# Altium PCB PCB1.PcbDoc (continued)
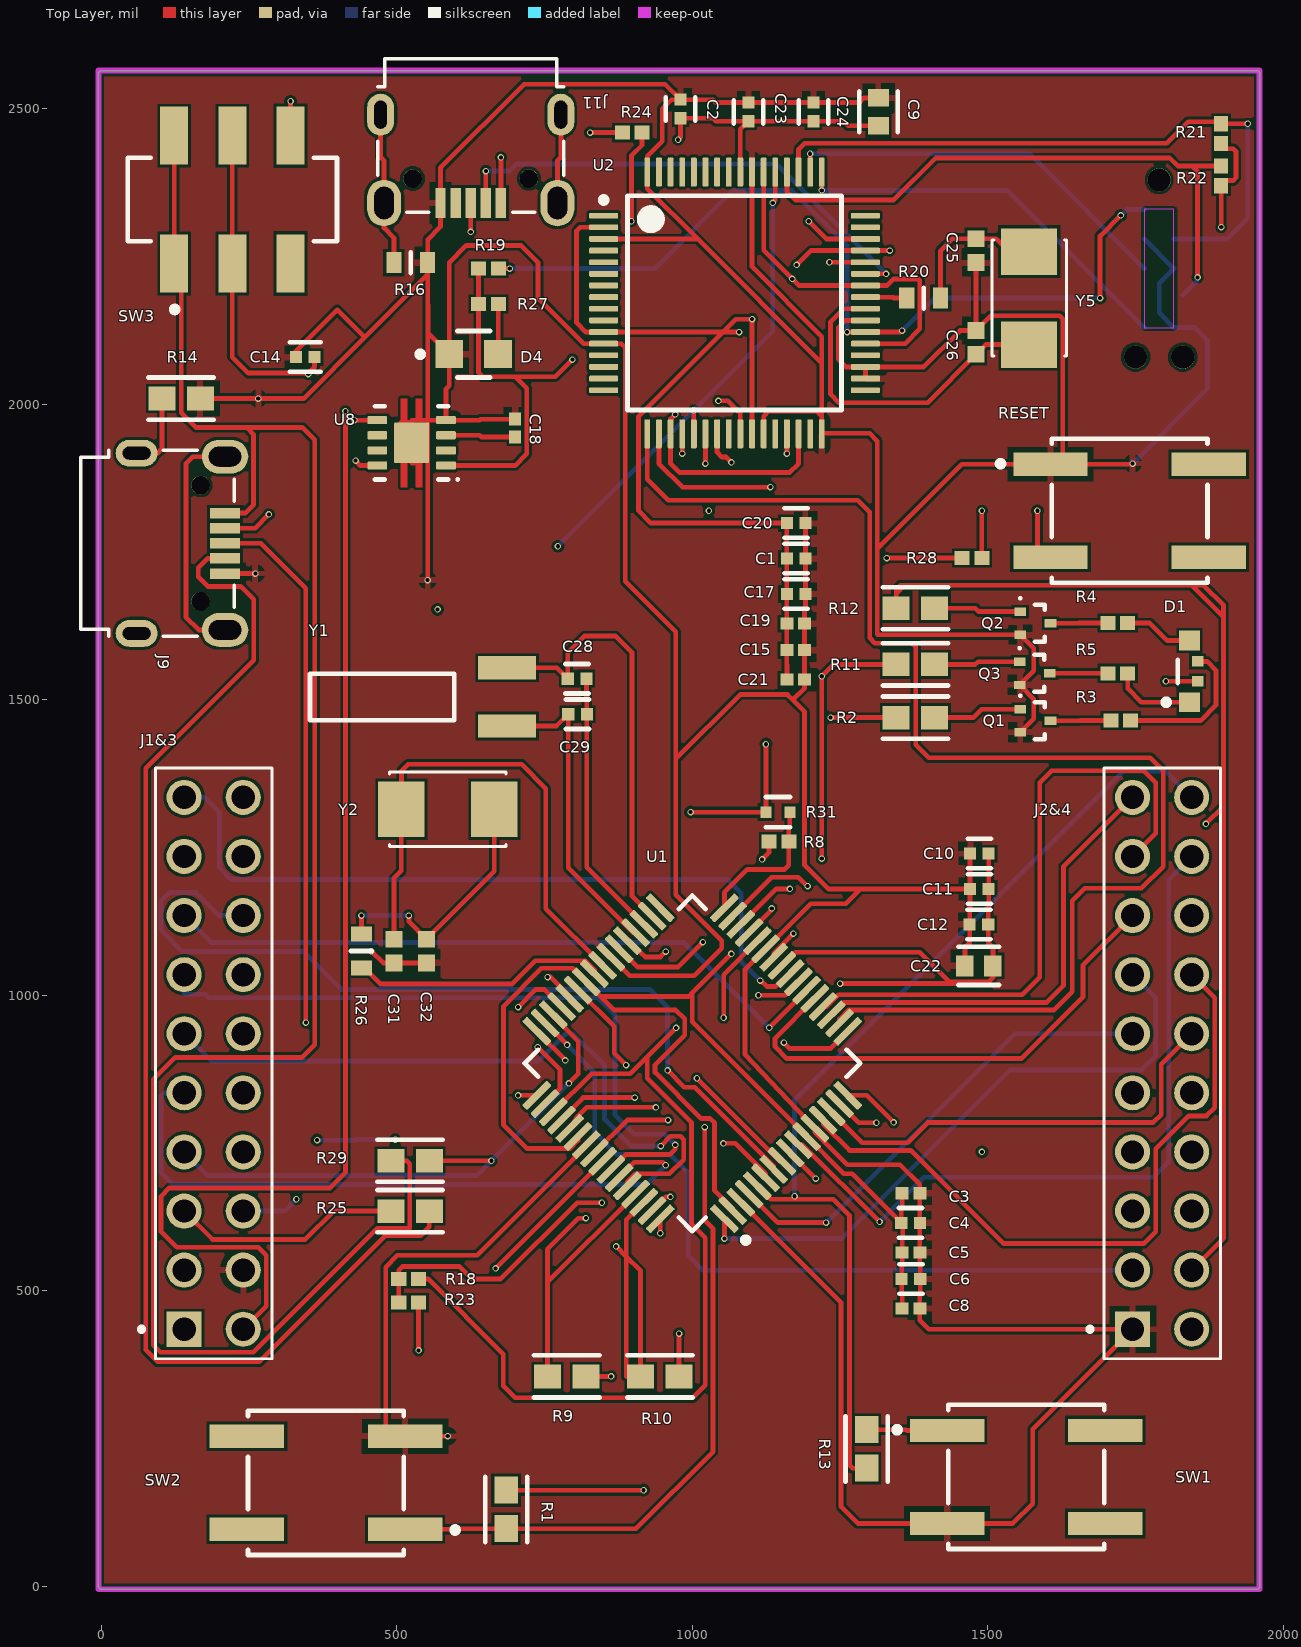
[diagram p0: Top Layer view]
## Footprints (in the part's own frame and the unit in brackets; to place one, negate y for a bottom-side part, rotate by r counter-clockwise, add the part's x,y. Pads: shape width x height; smd on the part's side, far side on the other; paste and mask are expansions set on the pad) (continued)
  silkscreen extent -5.75,-4.6 4.6,4.6, body extent -6,-6 6,6, height 1.49
RESC1005X40X25NL10T10 [mm] "Chip Resistor, 2-Leads, Body 1.00x0.50mm, IPC Medium Density"
  rect 0.65x0.6 smd: 1(-0.425,0) 2(0.425,0)
  body extent -0.55,-0.3 0.55,0.3, height 0.4
TAG-CONNECT_TC2050-IDC-NL [mm]
  round 0.787 smd paste-1: 1(0,0) 2(0,-1.27) 3(0,-2.54) 4(0,-3.81) 5(0,-5.08) 6(1.27,-5.08) 7(1.27,-3.81) 8(1.27,-2.54) 9(1.27,-1.27) 10(1.27,0)
  round 0.991 hole 0.991 unplated: ""(-0.38,-6.35) ""(0.635,1.27) ""(1.65,-6.35)
  Keep-Out Layer region: 1.27,-5.08 0,-5.08 0,0 1.27,0
  Keep-Out Layer region: 1.27,-5.08 0,-5.08 0,0 1.27,0
  silkscreen extent -3.46,-8.76 4,3.68
TE_1-826656-0 [mm]
  rect 1.508x1.508 hole 1: 1(-11.43,1.27)
  round 1.508 hole 1: 2(-8.89,1.27) 3(-6.35,1.27) 4(-3.81,1.27) 5(-1.27,1.27) 6(1.27,1.27) 7(3.81,1.27) 8(6.35,1.27) 9(8.89,1.27) 10(11.43,1.27) 11(-11.43,-1.27) 12(-8.89,-1.27) 13(-6.35,-1.27) 14(-3.81,-1.27) 15(-1.27,-1.27) 16(1.27,-1.27) 17(3.81,-1.27) 18(6.35,-1.27) 19(8.89,-1.27) 20(11.43,-1.27)
  silkscreen extent -12.7,-2.5 12.7,3.2, body extent -12.7,-2.5 12.7,2.5, height 6.01
XTAL_NX5032GA-16.000000MHZ-LN-CD-1 [mm]
  rect 2x2.4 smd: 1(-2,0) 2(2,0)
  silkscreen extent -2.5,-1.6 2.5,1.6, body extent -2.5,-1.6 2.5,1.6, height 1.51

## Part data
C1 C2 C4 C6 C10 C11 C12 C17 C20 C23 C24: library part CMP-1034-02068-3, "CAP CER 0.1UF 16V 5% X7R 0402", Capacitance="0.10 μF", Manufacturer=Kemet, Manufacturer Part Number=C0402C104J4RACTU, Package=C0402-BB, Temperature="-55°C to +125°C", Temperature Characteristic=X7R, Temperature Coefficient=15%, Temperature Range High=+125°C, Temperature Range Low=-55°C, Tolerance=0.05, Voltage Rating="16 V", Automotive=No, Category=Cap, ComponentLink2Description=Datasheet, ComponentLink2URL=https://content.kemet.com/datasheets/KEM_C1002_X7R_SMD.pdf, Device Class L1="Passive Components", Device Class L2=Capacitors, Device Class L3="Ceramic Capacitors", Digikey Description="CAP CER 0.1UF 16V 5% X7R 0402", Height=0.55mm, Ipc Land Pattern Name=CAPC10050X50, Lead Free=Yes, Material=Ceramic, Mouser Description="CAP CER 0.1UF 16V X7R 0402", Octopart=https://octopart.com/c0402c104j4ractu-kemet-12573893, RoHS=TRUE
C3 C5 C8 C15 C19 C21: library part CMP-1034-01886-2, Manufacturer=Kemet, Part Number=C0402C103K5RACTU
C9 C22: library part CMP-2006-02259-2, "CAP CER 2.2UF 16V X5R 0603", Case Code (Imperial)=0603, Case Code (Metric)=1608, Dielectric=X5R, Dielectric Material=Ceramic, Max Operating Temperature=85°C, Min Operating Temperature=-55°C, Package Quantity=1, Tolerance=10%, Voltage=16V, Capacitance=2.2uF, Case/Package=0603, Construction=Flat, Contact Plating=Tin, Depth=0.8mm, Dissipation Factor=5%, Height=0.8mm, Lead Free="Lead Free", Length=1.6mm, Mount="Surface Mount", Number of Pins=2, Packaging="Tape and Reel", Radiation Hardening=No, REACH SVHC="No SVHC", RoHS Compliant=Yes, Series=C, Termination=SMD/SMT, Thickness=0.034inch, Voltage Rating=16V, Voltage Rating (DC)=16V, Width=0.8mm
C14: library part CMP-2008-02081-2, "CAP CER 1UF 10V X5R 0402", Capacitance=1uF, Case Code (Imperial)=0402, Case Code (Metric)=1005, Dielectric=X5R, Dielectric Material=Ceramic, Max Operating Temperature=85°C, Min Operating Temperature=-55°C, Package Quantity=1, Tolerance=10%, Voltage=10V, Case/Package=0402, Construction=Flat, Contact Plating=Tin, Depth=0.5mm, Dissipation Factor=5%, Height=0.5mm, Lead Free="Lead Free", Length=1mm, Mount="Surface Mount", Number of Pins=2, Packaging="Tape and Reel", Radiation Hardening=No, REACH SVHC="No SVHC", RoHS Compliant=Yes, Series=C, Termination=SMD/SMT, Thickness=0.022inch, Voltage Rating=10V, Voltage Rating (DC)=10V, Width=0.5mm
C18: library part CMP-1034-01886-2, Manufacturer=Kemet, Part Number=C0402C103K5RACTU
C25 C26 C31 C32: library part CMP-2100-03589-1, "Chip Capacitor, 10 pF, +/- 5%, 50 V, -55 to 125 degC, 0402 (1005 Metric), RoHS, Tape and Reel", Case Code (Imperial)=0402, Case Code (Metric)=1005, Dielectric=C0G, Dielectric Material=Ceramic, Insulation Resistance=100GR, Manufacturer=Yageo, Max Operating Temperature=125degC, Min Operating Temperature=-55degC, Package Description="2-Pin Surface Mount Device, Body 1 x 0.5 mm", Package Quantity=1, Temperature Coefficient=30ppm/degC, Tolerance=5%, Voltage=50V, Capacitance=10pF, Case/Package=0402, Composition=Ceramic, Datasheet URL=http://www.yageo.com/documents/recent/UPY-GP_NP0_16V-to-50V_14.pdf, Datasheet Version="Rev. 14, 07/2016", Depth=0.5mm, Height=0.5mm, Lead Free=LeadFree, Length=1mm, Manufacturer URL=http://www.yageo.com/, Mount=SurfaceMount, Number of Pins=2, Package Reference=0402, Packaging=TapeandReel, Radiation Hardening=No, REACH SVHC=NoSVHC, RoHSCompliant=True, Termination=SMD/SMT, Thickness=0.022inch, Voltage Rating=50V, Voltage Rating (DC)=50V, Width=0.02inch
C28 C29: library part CMP-1034-00941-3, Capacitance="24 pF", Manufacturer=Kemet, Manufacturer Part Number=C0402C240J5GACTU, Package=C0402-BB, Temperature="-55°C to +125°C", Temperature Characteristic=C0G, Temperature Coefficient=15%, Temperature Range High=+125°C, Temperature Range Low=-55°C, Tolerance=0.05, Voltage Rating="50 V", Automotive=No, Category=Cap, ComponentLink2Description=Datasheet, ComponentLink2URL=https://content.kemet.com/datasheets/KEM_C1002_X7R_SMD.pdf, Device Class L1="Passive Components", Device Class L2=Capacitors, Device Class L3="Ceramic Capacitors", Digikey Description="CAP CER 24PF 50V 5% NP0 0402", Height=0.55mm, Ipc Land Pattern Name=CAPC10050X50, Lead Free=Yes, Material=Ceramic, Mouser Description="Multilayer Ceramic Capacitors MLCC - SMD/SMT 50volts 24pF C0G 5%", Octopart=https://octopart.com/c0402c240j5gactu-kemet-9138560, RoHS=TRUE
D1: library part CMP-2000-06422-1, "Right Angle Tricolor Surface Mount Chip LED, Red/Green/Blue, -40 to 85 degC, 4-Pin SMD, RoHS, Tape and Reel", Forward Current=20mA, Forward Voltage=3.9/2.6/2V, Manufacturer=Avago, Operating Temp Range=-40Cto85C, Operating Temperature Classification=Industrial, Package Description="4-Pin Surface Mount Device, Body 2.5 x 1 mm", Package Reference=HSMF-C11X, Package Type=ChipLed, Power Dissipation=59/39/36W, Reverse Voltage=5V, Datasheet URL=https://datasheet.ciiva.com/15117/getdatasheetpartid-133115-15117679.pdf, Datasheet Version=04/2010, DELETED=Compliant, Dominant Wave Length=470/572/626nm, High Brightness=Yes, Lens Dimensions=2.1x1x0.5mm, Lens Type=ColorlessDiffused, Lum Intensity=60/50/80mcd, Luminous Intensity=60/50/80mcd, Main Category=ChipLED, Manufacturer URL=http://www.avagotech.com/, Mounting=SurfaceMount, Mounting Technology=SurfaceMount, Number of  Elements=3, Packaging=TapeandReel, Peak Wavelength=468/570/637nm, Pin Count=4, Product Depth (mm)=1mm, Product Height (mm)=1mm, Product Length (mm)=2.5mm, Rad Hardened=No, Shape Type=Rectangular, Test Current (It)=20mA, Type=Tri-Color, Viewing Angle=125/125/120deg
D4: library part CMP-22017-000022-1, "LED ORANGE CLEAR SMD", Case Code (Imperial)=0805, Case Code (Metric)=2012, Color=Orange, Forward Current=30mA, Forward Voltage=2.1V, Lens Color=Colorless, Max Operating Temperature=85°C, Max Power Dissipation=100mW, Min Operating Temperature=-55°C, Package Quantity=1, Reverse Voltage=5V, Test Current=10mA, Case/Package=0805, Depth=1.25mm, Dominant Wavelength=602nm, Height=1.1mm, Illumination Color=Orange, Lead Free="Lead Free", Length=2mm, Lens Style=Diffused, Lens Transparency=Clear, Luminous Intensity=2mcd, Mount="Surface Mount", Number of Elements=1, Number of LEDs=1, Number of Pins=2, Packaging="Tape and Reel", Power Dissipation=100mW, Radiation Hardening=No, Viewing Angle=130°, Wavelength=610nm, Width=1.25mm
J1&3 J2&4: "Conn Unshrouded Header HDR 20 POS 2.54mm Solder ST Thru-Hole Box", Package=None, Availability=Good, Check_prices=https://www.snapeda.com/parts/1-826656-0/TE%20Connectivity%20AMP%20Connectors/view-part/2881856/?ref=eda, MF="TE Connectivity", MP=1-826656-0, Price=None, Purchase-URL=https://pricing.snapeda.com/search/part/1-826656-0/?ref=eda, SnapEDA_Link=https://www.snapeda.com/parts/1-826656-0/TE%20Connectivity%20AMP%20Connectors/view-part/2881856/?ref=snap
J5: "MSP-FET430 Flash Emulation Tool Plug-Of-Nailsâ„¢ Adapter Cable", Package=None, Availability="In Stock", Check_prices=https://www.snapeda.com/parts/TC2050-IDC-NL/Tag-Connect+LLC/view-part/?ref=eda, MF="Tag-Connect LLC", MP=TC2050-IDC-NL, Price=None, Purchase-URL=https://pricing.snapeda.com/search/part/TC2050-IDC-NL/?ref=eda, SnapEDA_Link=https://www.snapeda.com/parts/TC2050-IDC-NL/Tag-Connect+LLC/view-part/?ref=snap
J9 J11: library part CMP-1502-03252-3, Contact Resistance=30mΩ, Current Rating=3A, Insulation Resistance=1GΩ, Max Operating Temperature=85°C, Min Operating Temperature=-40°C, Operating Supply Voltage=30V, Connector Type=USB, Contact Material=Gold, Contact Plating=Gold, Features=Shielded, Gender=Receptacle, Height=2.86mm, Lead Free="Lead Free", Mount="Horizontal, Surface Mount", NexarPartId=52645113, Number of Contacts=5, Number of Pins=5, Orientation=Horizontal, Packaging="Tape and Reel", REACH SVHC=Unknown, RoHS=Compliant, Termination=SMD/SMT, USB Standard="USB 2.0", Voltage Rating=30V
Q1 Q2 Q3: library part CMP-0630-00210-1, "Digital Transistor (BRT), R1=10 kOhm, R2=10 kOhm, NPN Transistor, 3-Pin SC-75, Pb-Free, Tape and Reel", Manufacturer="On Semiconductor", ComponentLink1Description="Manufacturer URL", ComponentLink1URL=http://www.onsemi.com/, ComponentLink2Description=Datasheet, ComponentLink2URL=http://www.onsemi.cn/pub_link/Collateral/DTC114E-D.PDF, ComponentLink3Description="Package Specification", ComponentLink3URL=http://www.onsemi.com/pub_link/Collateral/463-01.PDF, DatasheetVersion="Rev. 5", hFE Min=35, IC Continuous (A)=0.1, Mounting Technology="Surface Mount", PackageDescription="3-Pin Small Outline Transistor, Body 1.6 x 0.8 mm, Pitch 0.5 mm", PackageReference=SC-75-3-463-01, PackageVersion="Rev. F, 07/2005", Packing="Tape and Reel", PartNumber=DTC114EET1G, Polarity=NPN, R1/R2 Typ=1, RoHS=TRUE, V(BR)CEO Min (V)=50
R1 R2 R9 R10 R11 R12 R13 R14 R25 R29: library part CMP-07231-000375-1, "Thick Film Chip Resistors 0603 1kΩ 0.1W 5% 200ppm/°C", Case Code (Imperial)=0603, Case Code (Metric)=1608, Max Operating Temperature=155°C, Max Power Dissipation=100mW, Min Operating Temperature=-55°C, Package Quantity=5000, Resistance=1kR, Temperature Coefficient=200ppm/°C, Tolerance=5%, Voltage Rating=50V, Case/Package=0603, Composition="Thick Film", Contact Plating=Tin, Depth=0.8mm, Features="Moisture Resistant", Height=0.022inch, Length=1.6mm, Military Standard=Not, Mount="Surface Mount", Number of Pins=2, Number of Terminations=2, Packaging="Tape and Reel", Power Rating=100mW, Radiation Hardening=No, REACH SVHC="No SVHC", Termination=SMD/SMT, Thickness=457um, Voltage Rating (DC)=50V, Width=0.8mm
R3 R4 R5 R8 R27: library part CMP-1011-00454-2, "330", Manufacturer=Bourns, Part Number=CR0402-FX-3300GLF
R16 R20 R26: library part CMP-07231-000023-1, "Thick Film Chip Resistors 0603 0Ω 0.1W 5%", Case Code (Imperial)=0603, Case Code (Metric)=1608, Max Operating Temperature=155°C, Max Power Dissipation=100mW, Min Operating Temperature=-55°C, Package Quantity=5000, Resistance=0mR, Temperature Coefficient=500ppm/°C, Tolerance=1%, Voltage Rating=50V, Case/Package=0603, Composition="Thick Film", Contact Plating=Tin, Depth=0.8mm, Height=0.45mm, Length=1.6mm, Military Standard=Not, Mount="Surface Mount", Number of Pins=2, Packaging="Tape and Reel", Power Rating=100mW, Radiation Hardening=No, REACH SVHC="No SVHC", Termination=SMD/SMT, Thickness=457um, Voltage Rating (DC)=50V, Width=0.8mm
R18 R21 R22 R23 R28: library part CMP-2002-04694-1, Manufacturer=Bourns, Part Number=CR0402-FX-1002GLF
R19: library part CMP-2002-04694-1, Manufacturer=Bourns, Part Number=CR0402-FX-1002GLF
R24: library part CMP-1011-00454-2, Manufacturer=Bourns, Part Number=CR0402-FX-3300GLF
R31: library part CMP-2002-05525-2, "Thick Film Chip Resistors 0402 1MΩ 0.0625W 5% 200ppm/°C", Case Code (Imperial)=0402, Case Code (Metric)=1005, Max Operating Temperature=125°C, Max Power Dissipation=63mW, Min Operating Temperature=-55°C, Package Quantity=10000, Power Rating=62.5mW, Resistance=1MR, Temperature Coefficient=200ppm/°C, Tolerance=5%, Voltage Rating=50V, Case/Package=0402, Composition="Thick Film", Contact Plating=Tin, Depth=0.5mm, Height=0.016inch, Length=1mm, Military Standard=Not, Mount="Surface Mount", Number of Terminations=2, Packaging="Tape and Reel", Radiation Hardening=No, Termination=SMD/SMT, Thickness=356um, Width=0.02inch
RESET SW1 SW2: library part CMP-05618-000078-1, "SWITCH TACTILE SPST-NO 0.02A 15V", Actuator Color=White, Case/Package=SMD/SMT, Contact Current Rating=20mA, Contact Resistance=100mR, Max Operating Temperature=85°C, Max Voltage Rating (DC)=15V, Min Operating Temperature=-40°C, Operating Force=0.5N, Package Quantity=1, Voltage Rating (AC)=250V, Actuator Length=0.7mm, Actuator Type=Standard, Color=White, Contact Plating=Silver, Current Rating=20mA, Electrical Life=2000000Cycles, Illumination Type=Non-Illuminated, Lead Free="Lead Free", Mechanical Life=2000000Cycles, Mount="Surface Mount", Orientation=Straight, Packaging="Tape and Reel", Radiation Hardening=No, RoHS Compliant=Yes, Series=EVQQ2, Size=1.8mm, Switch Function=Off-Mom, Switch Travel=0.2mm, Termination=SMD/SMT, Thickness=1.8mm, Throw Configuration=SPST, Voltage Rating (DC)=15V
SW3: library part CMP-2000-05087-3, "SWITCH SLIDE DPDT 300MA 6V", Actuator Color=Black, Contact Current Rating=300mA, Contact Resistance=70mR, Flammability Rating="UL94 V-2", Max Operating Temperature=85°C, Max Voltage Rating (DC)=6V, Min Operating Temperature=-20°C, Package Quantity=1, Actuator Length=2mm, Actuator Material=Nylon, Actuator Type=Standard, Contact Material="Copper Alloy", Contact Plating=Silver, Current Rating=300mA, Depth=7.5mm, Electrical Life=5000Cycles, Housing Material=Nylon, Lead Free="Lead Free", Length=9mm, Max Current Rating=300mA, Mount="Surface Mount", Orientation=Vertical, Packaging="Tape and Reel", Radiation Hardening=No, REACH SVHC="No SVHC", Series=JS, Switch Function=On-On, Switch Travel=2mm, Termination="Gull Wing", Throw Configuration=DPDT, Voltage Rating (DC)=6V
U1: library part CMP-04869-000012-1, "IC MCU 32BIT 256KB FLASH 64LQFP", Ambient Temperature Range High=+85°C, Ambient Temperature Range Low=-40°C, Frequency=80MHz, Manufacturer="Texas Instruments", Max Junction Temp=+96°C, Max Supply Voltage=3.63V, Min Supply Voltage=1.08V, Package=PM0064A, Temperature="-40°C to +96°C", Automotive=No, Category=IC, ComponentLink2Description=Datasheet, ComponentLink2URL=http://www.ti.com/lit/gpn/tm4c123gh6pm, Core Architecture="ARM Cortex-M4F", Data Bus Width=32bits, Device Class L1="Integrated Circuits (ICs)", Device Class L2="Embedded Processors and Controllers", Device Class L3=Microcontrollers, Digikey Description="IC MCU 32BIT 256KB FLASH 64LQFP", Height=1.6mm, Interface=I2C,SPI,UART,CAN,USB,IrDA,Other, Ipc Land Pattern Name=QFP50P1200X1200X160-64, Lead Free=Yes, Manufacturer Part Number=TM4C123GH6PMI7, Memory Size=256KBytes, Memory Type=FLASH, Mouser Description="MCU 32-Bit Tiva C ARM Cortex M4F RISC 256KB Flash 1.2V/3.3V 64-Pin LQFP", Number Of A/D Converters=2, Number Of Adc Channels=12, Number Of Cores=1, Number Of I2C Channels=4, Number Of I/Os=43, Number Of Pwm Channels=16, Number Of Spi Channels=4, Number Of Timers/Counters=12, Number Of Uart Channels=8, Number Of Usb Channels=1, Octopart=https://octopart.com/tm4c123gh6pmi7-texas+instruments-47641106, Ram Size=32KBytes, RoHS=TRUE, Standoff Height=0.05mm, Temperature Range High=+96°C, Temperature Range Low=-40°C
U2: library part CMP-0945-00006-2, "Tiva C Series Microcontroller, 256 KB Flash, 32 KB SRAM, 12 Bit, 12 Channels, -40 to 85 degC, 64-Pin LQFP (PM), Green (RoHS & no Sb/Br)", Manufacturer="Texas Instruments", Temperature Range="-40 to 85 degC", ADC Channels=12, ADC Resolution="12 Bit", ComponentLink1Description="Manufacturer URL", ComponentLink1URL=http://www.ti.com/, ComponentLink2Description=Datasheet, ComponentLink2URL=http://www.ti.com/lit/ds/symlink/tm4c123gh6pm.pdf, ComponentLink3Description="Package Specification", ComponentLink3URL=http://www.ti.com/litv/pdf/mtqf008a, Data Memory="32 KB", DatasheetVersion="Rev. 15741.2722", GPIOs=43, I2C=2, Max Speed="80 MHz", Mounting Technology="Surface Mount", PackageDescription="64-Pin Plastic Quad Flatpack, Body 10 x 10 mm, Pitch 0.5 mm", PackageReference=PM0064A, PackageVersion=4040152/C, PartNumber=TM4C123GH6PMI, Prefix="Qualified Device", Program Memory="256 KB", RoHS=TRUE, Tiva Series="Connected MCUs", UART=4
U8: library part CMP-0395-00621-2, "Single Output Low Noise LDO, 400 mA, Fixed 3.3 V Output, 1.7 to 5.5 V Input, with Reverse Current Protection, 8-pin SON (DRB), -40 to 85 degC, Green (RoHS & no Sb/Br)", Manufacturer="Texas Instruments", Rating=Catalog, Accuracy(%)=1, ComponentLink1Description="Manufacturer URL", ComponentLink1URL=http://www.ti.com/, ComponentLink2Description=Datasheet, ComponentLink2URL=http://www.ti.com/general/docs/lit/getliterature.tsp?genericPartNumber=TPS73633&fileType=pdf, ComponentLink3Description="Package Specification", ComponentLink3URL=http://www.ti.com/litv/pdf/mpds118h, ComponentLink4Description="URL Link1", ComponentLink4URL="Samples URL:http://www.ti.com/product/tps73633#samples", DatasheetVersion=SBVS038T, Eco-Plan="Green (RoHS & no Sb/Br)", Fixed Output Options(V)=3.3, Iout(Max)(A)=0.4, Iq(Typ)(mA)=0.3, Mounting Technology="Surface Mount", PackageDescription="8-Pin Plastic Small Outline, Body 3 x 3 mm, Pitch 0.65 mm", PackageReference=DRB0008A, PackageVersion=4203482-2/K, PartNumber=TPS73633DRBR, SubFamily="Single Channel LDO", Vdo(Typ)(mV)=75, Vin(Max)(V)=5.5, Vin(Min)(V)=1.7, Vout Adj(Max)(V)=3.3, Vout Adj(Min)(V)=3.3
Y1: library part CMP-27762-006068-1, "CRYSTAL 32.7680KHZ 12.5PF TH", Case/Package=Radial, ESR (Equivalent Series Resistance)=50kR, Frequency=32.768kHz, Frequency Stability=-0.034ppm, Frequency Tolerance=20ppm, Load Capacitance=12.5pF, Max Operating Temperature=85°C, Min Operating Temperature=-40°C, Operating Frequency="32.768 kHz", Package Quantity=500, Depth=1.9mm, Height=0.075inch, Lead Free="Lead Free", Lead Pitch=2.54mm, Length=6mm, Mount="Surface Mount", Number of Pins=2, Packaging="Tape and Reel", REACH SVHC="No SVHC", Series=AB26TRB, Series Resistance=50kR, Termination=Radial, Tolerance=20ppm
Y2 Y5: library part NX5032GA-16.000000MHZ-LN-CD-1, Package=None, Availability=Unavailable, MP=NX5032GA-16.000000MHZ-LN-CD-1, Price=None

## Via types
v1: diameter 11, hole 7, Top Layer to Bottom Layer, 118 vias

## Nets (pads, with @x,y where several pads share a name; then routed paths per layer and width w, separated by ;. In a path a pad name is that pad's centre, name@x,y a point inside that pad or via, vN(x,y) a via of type N, cw(c..) or ccw(c..) an arc to the next point about the centre after c; other vN are vias at no path point)
3.3V: C1.1 C15.2 C17.1 C19.2 C20.1 C21.2 U2.2 U2.11 U2.26 U2.37 U2.42 U2.54 | length 2362.7
  Top Layer w8: U2.2 810,2299.68 804,2293.68 804,2138.52 820,2122.52 U2.11 1051.52,2122.52 ; v1(1079.26,2122.52) 1051.52,2122.52 ; U2.26 v1(1100.98,2144.24) 1073.24,2144.24 1051.52,2122.52 ; U2.54 1120.67,2260.59 v1(1169,2212.26) 1180,2201.26 U2.42 1330,2201.26 1341,2212.26 1382.74,2212.26 1385,2210 1385,2127.83 1360,2102.83 U2.37 ; C21.2 1160.04,1559 1160,1559.04 C15.2 C19.2 C17.1 C1.1 C20.1 929.83,1799.17 909,1820 909,1980 1051.52,2122.52
  Layer 1 w8: v1(1079.26,2122.52) v1(1100.98,2144.24) v1(1169,2212.26)
+3.3V: J1&3.1 R19.2 R21.1 R22.1 R27.2 U2.45 U8.1 | length 4079
  Top Layer w8: U8.1 700,1896.61 720,1916.61 720,2027 700,2047 ; R19.2 R27.2 638.27,2053.73 645,2047 700,2047 ; v1(797,2076) 768,2047 700,2047 ; v1(1176.31,2236) 1200.63,2260.31 U2.45 v1(1334,2260.31) ; v1(1895,2300) R22.1 1895,2370.98 1902.81,2378.8 1915.31,2378.8 1920,2383.48 1920,2428.05 1915.31,2432.74 1902.81,2432.74 1895,2440.55 R21.1
  Layer 1 w8: v1(569,1653) 569,1848 v1(797,2076) 992,2076 1152,2236 v1(1176.31,2236) ; v1(1334,2260.31) 1371.69,2298 v1@1895,2298
  Layer 2 w8: J1&3.1 179,396 328,396 569,637 v1(569,1653)
+ICDI_VBUS: J11.1 R24.1 SW3.6 | length 753.5
  Top Layer w8: SW3.6 v1(320,2513) ; J11.1 v1(676.18,2418) ; v1(827,2460) R24.1
  Layer 1 w8: v1(320,2513) 415,2418 v1(676.18,2418) 785,2418 v1(827,2460)
+MCU_PWR: R18.1 R23.1 R28.1 R31.2 | length 1956.6
  Top Layer w8: R23.1 R18.1 503.27,535 509.54,541.27 605.73,541.27 627,520 676,520 805,649 v1(847,649) ; v1(996.96,1310) R31.2 v1(1124.64,1425) ; v1(1329,1740) R28.1
  Layer 1 w8: v1(1124.64,1425) 1124.64,1535.64 v1(1329,1740)
  Layer 2 w8: v1(847,649) 847,1160.04 v1(996.96,1310)
+USB_VBUS: J9.1 R29.2 SW3.1 SW3.4 | length 3348.9
  Top Layer w8: SW3.4 SW3.1 123.15,2213 135,2201.15 135,1986 160,1961 245.55,1961 ; J9.1 243.18,1816.18 257.55,1830.55 257.55,1949 245.55,1961 ; R29.2 517,720 522,715 522,606 467,606 257,396 100,396 88,408 88,858 125,895 340,895 361,916 361,1940 340,1961 245.55,1961
+VBUS: C14.1 D1.2 J1&3.11 SW3.2 SW3.5 U8.5 U8.8 | length 4781
  Top Layer w8: SW3.5 SW3.2 221.57,2080 248.57,2053 v1@350,2053 ; J1&3.11 279,474 279,560 265.31,573.69 127.31,573.69 101,600 101,660 115,674 387,674 413,700 v1(413,1988.39) ; v1(350,2051.39) v1@350,2053 ; C14.1 360.75,2063.75 v1@350,2053 ; v1(428,1973.39) U8.5 ; v1(430,1905) 438.39,1896.61 U8.8 ; v1(1801.54,1531.54) D1.2
  Layer 1 w8: v1(430,1905) 430,1905.81 428,1907.81 v1(428,1973.39) v1(413,1988.39) v1(350,2051.39) 350,1811 751,1410 1152,1410 1273.54,1531.54 v1(1801.54,1531.54)
GND: C1.2 C2.2 C3.1 C4.2 C5.1 C6.2 C8.1 C9.2 C10.2 C11.2 C12.2 C14.2 C15.1 C17.2 C18.1 C19.1 C20.2 C21.1 C22.2 C23.2 C24.2 C25.1 C26.1 C31.1 C32.1 D4.1 J1&3.12 J2&4.1 J5.3 J5.5 J5.9 J9.5 J11.5 Q1.2 Q2.2 Q3.2 R14.1 R16.1 RESET.A SW1.B SW2.B U1.3 U1.12 U1.27 U1.39 U1.55 U2.3 U2.12 U2.27 U2.32 U2.34 U2.35 U2.39 U2.55 U2.64 U8.4 U8.9 | length 16983.2
  Top Layer w8: R14.1 v1(265.35,2010) 342.09,2010 445.54,2113.46 ; J9.5 v1(260.52,1713.82) ; C14.2 329.25,2090.25 399,2160 445.54,2113.46 ; v1(457,1075) 477.16,1054.84 C31.1 522,1054.84 C32.1 ; U8.9@532.28,1900.55 525,1900.55 U8.9 ; v1(552.09,1702.67) 552.09,1935 552.09,1973.39 ; v1(586,254) 585.74,253.74 SW2.B 481,253.74 481,540 501,560 636,560 820.44,744.44 U1.55 ; C18.1 641.57,1974.96 640,1973.39 U8.4 ; U2.3 1008.82,2280 ; U1.39 893.76,1033 1003,1033 1050,1080 1050,1092 972,1170 972,1400 ; U1.3 1251.74,480.15 1251.74,134.52 1280,106.26 SW1.B 1542.26,106.26 1576,140 1576,266 J2&4.1 1399.96,435 1384.96,450 C8.1 1384.96,494 1385.75,494.79 C6.2 1385.75,542 1384.96,542.79 C5.1 1384.96,589 1385,589.04 C4.2 1385,639 1384.96,639.04 C3.1 1384.96,680 1351.44,713.52 1262.16,713.52 1207.4,768.28 U1.12 1089,900 1089,1043.6 U1.27 1200.4,1155 1260,1155 1285,1180 ; U2.55 1100.98,2233 1219.09,2114.89 1219.09,2069.72 ; U2.27 1120.67,1980 1129.67,1989 1210.09,1989 1219.09,1980 ; C20.2 C1.2 C17.2 1191.5,1654.58 1189.92,1653 C19.1 C15.1 1189.92,1559.04 1189.96,1559 C21.1 1189.96,1520 1169.96,1500 ; U2.32 U2.32@1219.09,1951 ; U2.34 U2.35 ; U2.39 1259.2,2142.2 1247,2130 1247,2076.46 1260,2063.46 U2.35 ; C9.2 1290.19,2518.62 1282.32,2510.75 C24.2 C23.2 1040,2510.75 1035,2515.75 C2.2 ; C22.2 1461.38,1081 1469.25,1088.87 C12.2 1469.25,1149 1470,1149.75 C11.2 ; C10.2 C11.2 ; C25.1 C26.1 ; Q1.2 1578,1468 1578,1501.33 Q3.2 1578,1549.3 1578,1587 Q2.2 ; v1(1745,1900) 1744.19,1900 1742.93,1898.74 RESET.A@1627,1898.74 ; 445.54,2113.46 552.09,2220 ; U8.9@517.72,1969.45 525,1969.45 U8.9 ; U8.9@517.72,1969.45 506.69,1969.45 U8.9@517.72,1969.45 ; U8.9 525,1973.39 552.09,1973.39 ; 552.09,1973.39 552.09,2120.79 552.09,2220 ; 552.09,1973.39 U8.4 ; 552.09,2220 R16.1 ; R16.1 552.22,2220 552.88,2120.79 D4.1 ; R16.1 552.09,2279 573.82,2300.73 J11.5 573.82,2400.5 715.32,2542 953.75,2542 C2.2 ; U8.4 583.07,2026 588.66,2031.59 D4.1 ; D4.1 588.66,2240 617.66,2269 710,2269 739,2240 739,2179.83 816,2102.83 U2.12 880,2102.83 886.32,2096.52 886.32,1700.68 972,1615 972,1400 ; 972,1400 1081.04,1509.04 1160.92,1509.04 1169.96,1500 ; C2.2 964.75,2515.75 949,2500 949,2445.18 923.82,2420 U2.64 923.82,2365 1008.82,2280 ; 1008.82,2280 1219.09,2069.72 ; 1169.96,1500 1189.96,1480 1189.96,1220.04 1230,1180 1285,1180 ; U2.32@1219.09,1951 1300,1951 1313.09,1937.91 1313.09,1755.83 ; U2.32@1219.09,1951 1219.09,1980 ; 1219.09,1980 1219.09,2069.72 ; 1285,1180 C11.2 ; U2.35 1391.38,2063.46 1453,2125.08 C26.1 ; 1313.09,1610.91 1314,1610 Q2.2 ; 1313.09,1610.91 1313.09,1755.83 ; 1313.09,1610.91 Q2.2 ; 1313.09,1755.83 1456,1898.74 RESET.A RESET.A@1627,1898.74 ; C26.1 1504.92,2150 1622,2150 1627,2145 RESET.A@1627,1898.74
  Layer 1 w8: J1&3.12 305,535 v1(586,254)
  Layer 2 w8: J1&3.12 279,574 279,1785.58 265.35,1799.23 v1(265.35,2010) 260.52,2005.17 v1(260.52,1713.82) ; v1(457,1075) 457,1607.58 v1(552.09,1702.67)
  Bottom Layer w8: v1(1745,1900) 1871.69,2026.69 1871.69,2108.31 1850,2130 J5.5 1790,2155 1790,2205 J5.3 J5.9
NetC2_1: C2.1 C9.1 C23.1 C24.1 U2.25 U2.56 | length 1020.7
  Top Layer w8: v1(976,2448) 980,2452 C2.1 1035,2484.25 1040,2479.25 C23.1 ; v1(1044,2006) 1060,2006 1081.3,1984.7 U2.25 ; U2.56 1081.3,2465.55 C23.1 ; C9.1 1263.87,2471.38 1256,2479.25 C24.1 C23.1
  Layer 2 w8: v1(976,2448) 976,2074 v1(1044,2006)
NetC3_2: C3.2 C4.1 C5.2 C6.1 C8.2 U1.2 U1.11 U1.26 U1.37 U1.42 U1.54 | length 2492.9
  Top Layer w8: U1.54 806.52,754.36 793.16,741 720,741 680.5,780.5 680.5,981.75 744.45,1045.7 797.54,1045.7 845.24,998 ; U1.37 892.73,1092.4 912.75,1072.38 920.13,1065 946,1065 v1(955,1074) ; v1@1064,1072 v1(1066,1070) 1000,1004 ; U1.2 1068.21,638.79 1037.63,669.37 1037.63,784.37 1030.5,791.5 1015.03,791.5 937,869.53 937,882.54 987,932.54 987,960 972,975 868.24,975 845.24,998 ; U1.26 1137.8,1071.32 v1(1171,1104.52) ; C8.2 1355.04,494 1354.25,494.79 C6.1 1354.25,542 1355.04,542.79 C5.2 1355.04,589.96 1356,590.92 1356,615 C4.1 ; C3.2 1355.04,640.54 1353.5,639 C4.1 ; 845.24,998 994,998 1000,1004 ; 1000,1004 1000,955 1193.48,761.52 U1.11 1256.34,698.26 1270.24,698.26 C4.1
  Layer 1 w8: v1(955,1074) 1061.19,1074 1065.19,1070 v1(1066,1070) ; v1@1066,1074 1096.52,1104.52 v1(1171,1104.52)
NetC10_1: C10.1 C11.1 C12.1 C22.1 U1.25 U1.56 | length 1459.7
  Top Layer w8: U1.56 890.08,789 v1(959,789) ; U1.25 1174.08,1073 1385,1073 1435,1023 1501.62,1023 1508.62,1030 ; v1(1250,1020) 1498.62,1020 1508.62,1030 ; C10.1 C11.1 1501.5,1149.75 1500.75,1149 C12.1 1500.75,1088.87 1508.62,1081 C22.1 1508.62,1030
  Layer 2 w8: v1(959,789) 1059,889 1220,889 1250,919 v1(1250,1020)
NetC18_2: C18.2 U8.3 | length 118.1
  Top Layer w8: U8.3 640,1947.8 642.76,1945.04 C18.2
NetC25_2: C25.2 R20.1 Y5.1 | length 247.3
  Top Layer w8: R20.1 1420,2260.16 1440,2280.16 C25.2 1514,2280.16 1535.42,2258.74 Y5.1
NetC26_2: C26.2 U2.40 Y5.2 | length 573.5
  Top Layer w8: U2.40 1255.89,2161.89 1234,2140 1234,2017 1248,2003 1398.08,2003 C26.2 1496.34,2101.26 Y5.2
NetC28_1: C28.1 U1.34 Y1.1 | length 746.3
  Top Layer w8: Y1.1 770.79,1554.21 C28.1 789.25,1580 817.25,1608 870,1608 898,1580 898,1167.95 U1.34
NetC28_2: C28.2 C29.1 U1.35 | length 455.7
  Top Layer w8: C28.2 820.75,1505.75 821.5,1505 C29.1 821.5,1216.62 U1.35
NetC29_2: C29.2 U1.36 Y1.2 | length 530.8
  Top Layer w8: Y1.2 770.04,1455.79 C29.2 790,1216 899.68,1106.32 U1.36
NetC31_2: C31.2 U1.40 Y2.1 | length 895.4
  Top Layer w8: C31.2 495,1198 507.52,1210.52 Y2.1 508,1315 508,1380 519,1391 711,1391 752,1350 752,1146.92 U1.40
NetC32_2: C32.2 R26.1 Y2.2 | length 431.5
  Top Layer w8: R26.1 v1(440,1135) ; v1(520,1135) 520.57,1134.43 520.57,1124.43 C32.2 665,1210 Y2.2
  Bottom Layer w8: v1(440,1135) v1(520,1135)
NetD1_1: D1.1 R5.2 | length 139.8
  Top Layer w8: R5.2 1736.73,1519.37 1760,1496.1 D1.1
NetD1_3: D1.3 R3.2 | length 251.3
  Top Layer w8: R3.2 1860,1465 1886,1491 1886,1550 1871,1565 D1.3
NetD1_4: D1.4 R4.2 | length 116.7
  Top Layer w8: R4.2 1774,1630 1803.57,1600.43 D1.4
NetD4_2: D4.2 R27.1 | length 85.2
  Top Layer w8: D4.2 671.34,2127 671.73,2127.39 R27.1
NetJ1&3_2: J1&3.2 U1.57 | length 844.2
  Top Layer w8: v1(666.92,538) U1.57
  Layer 1 w8: J1&3.2 140,573 150,583 290,583 335,538 v1(666.92,538)
NetJ1&3_3: J1&3.3 R25.1 U1.45 | length 1362.5
  Top Layer w8: J1&3.3 188,587 345,587 393,635 R25.1 ; v1(705,980) 735,1010 749.73,1010 U1.45
  Layer 1 w8: J1&3.3 178.69,673.69 178.69,953.84 208.16,983.31 683.5,983.31 686.81,980 v1(705,980)
NetJ1&3_4: J1&3.4 R29.1 U1.46 | length 1162.7
  Top Layer w8: R29.1 v1(660,720) ; U1.46 764.76,964.24 807,922 807,867 v1(791,851)
  Layer 1 w8: v1(660,720) v1(791,851)
  Bottom Layer w8: J1&3.4 180,695 635,695 v1(660,720) v1(791,851)
NetJ1&3_5: J1&3.5 U1.59 | length 1138.5
  Top Layer w8: U1.59 902.1,717.5 949.9,717.5 v1(955,712.4)
  Bottom Layer w8: J1&3.5 106,835 101,830 101,700 121,680 922.6,680 v1(955,712.4)
NetJ1&3_6: J1&3.6 U1.60 | length 1176.8
  Top Layer w8: U1.60 890.04,684.36 903.58,697.9 961.35,697.9 985.5,722.05 985.5,756 980,761.5 963,761.5 v1(946.5,745)
  Bottom Layer w8: J1&3.6 186,889 740,889 786,935 798,935 851.5,881.5 851.5,790 896.5,745 v1(946.5,745)
NetJ1&3_7: J1&3.7 U1.58 | length 1199
  Top Layer w8: U1.58 887.26,730.5 962,730.5 971,739.5 v1(971,747)
  Bottom Layer w8: J1&3.7 140,1002 176,1002 182,996 840,996 869,967 869,798 902,765 953,765 v1(971,747)
NetJ1&3_8: J1&3.8 U1.22 | length 1158.7
  Top Layer w8: v1(1130.19,945.19) 1193.48,1008.48 U1.22
  Bottom Layer w8: J1&3.8 185.5,1089.5 985.88,1089.5 v1(1130.19,945.19)
NetJ1&3_9: J1&3.9 U1.23 | length 1207.8
  Top Layer w8: v1(1111.9,1000.1) 1156.86,1000.1 U1.23
  Layer 1 w8: J1&3.9 180,1235 190,1225 190,1120 214,1096 403,1096 440.3,1058.7 1053.3,1058.7 v1(1111.9,1000.1)
NetJ1&3_10: J1&3.10 U1.24 | length 1289.6
  Top Layer w8: v1(1115,1025) 1115.81,1025 1125.81,1015 1141.23,1015 1162.95,1036.72 U1.24
  Bottom Layer w8: J1&3.10 174,1335 200,1309 200,1216 220,1196 1060,1196 1083,1173 1083,1057 v1(1115,1025)
NetJ1&3_13: J1&3.13 R9.1 U1.61 | length 1237.2
  Top Layer w8: R9.1 754.88,514.61 ; v1(820,623) 806.88,623 754.38,570.5 754.88,570 754.88,514.61 ; U1.61 754.88,514.61
  Layer 1 w8: v1(497,756) 630,623 v1(820,623)
  Layer 2 w8: v1(330,655) 330,720 v1(365,755)
  Bottom Layer w8: J1&3.13 310,635 v1(330,655) ; v1(365,755) 430.79,755 431.79,756 v1(497,756)
NetJ1&3_14: J1&3.14 R10.1 U1.62 | length 1265.8
  Top Layer w8: v1(871,575) 888.14,557.86 ; U1.62 888.14,620.03 888.14,557.86 ; 888.14,557.86 888.14,355 R10.1 912.44,533.56 888.14,557.86
  Layer 1 w8: J1&3.14 330,735 480.5,584.5 861.5,584.5 v1(871,575)
NetJ1&3_15: J1&3.15 U1.63 | length 1160.9
  Top Layer w8: U1.63 954.95,659 v1(963,659)
  Layer 1 w8: J1&3.15 240,802 229,802 201,774 201,610 215,596 314,596 353,557 940,557 963,580 v1(963,659)
NetJ1&3_16: J1&3.16 U1.64 | length 869.9
  Top Layer w8: v1(945.71,597.5) U1.64
  Layer 1 w8: J1&3.16 577.5,597.5 v1(945.71,597.5)
NetJ1&3_17: J1&3.17 U1.8 | length 1051.3
  Top Layer w8: v1(1007.72,859.62) 1147.98,719.36 U1.8
  Layer 1 w8: J1&3.17 730.3,1035 741,1045.7 821.64,1045.7 v1(1007.72,859.62)
NetJ1&3_18: J1&3.18 U1.7 | length 1481.4
  Top Layer w8: v1(958,872.87) 986.25,844.62 1004.33,844.62 1137.8,711.15 U1.7
  Bottom Layer w8: J1&3.18 199,1135 160,1174 115,1174 101,1160 101,1110 137,1074 342,1074 406,1010 928,1010 958,980 v1(958,872.87)
NetJ1&3_19: J1&3.19 U1.6 | length 1587.8
  Top Layer w8: v1(1052.5,749.5) 1072.66,749.5 1123.88,698.28 U1.6
  Layer 1 w8: J1&3.19 193,1282 123,1282 101,1260 101,1010 114.69,996.31 795.69,996.31 1004.5,787.5 1004.5,768 1023,749.5 v1(1052.5,749.5)
NetJ1&3_20: J1&3.20 R2.1 U1.29 | length 2189.7
  Top Layer w8: U1.29 1133.85,1144.13 1133.85,1146.49 v1(1134.43,1147.06) ; v1(1234,1470) R2.1
  Layer 1 w8: v1(1134.43,1147.06) 783.03,1147.06 777.09,1153 422,1153 J1&3.20 1099,1335 v1(1234,1470)
NetJ2&4_2: J2&4.2 U1.47 | length 1308.6
  Top Layer w8: U1.47 v1(788,916.05)
  Bottom Layer w8: v1(788,916.05) 834.71,869.34 834.71,768.29 872.5,730.5 962.5,730.5 993,700 993,560 1018,535 J2&4.2
NetJ2&4_3: J2&4.3 U1.9 | length 637.6
  Top Layer w8: U1.9 v1(1208.92,690)
  Layer 1 w8: v1(1208.92,690) 1208.92,660 1233.92,635 J2&4.3
NetJ2&4_4: J2&4.4 R1.1 U1.28 | length 1982.1
  Top Layer w8: R1.1 v1(917.56,162.56) ; v1(1053,962) 1053,1035 1109.96,1091.96 U1.28
  Layer 1 w8: v1(1053,962) 1280,735 v1(1490,735) J2&4.4
  Layer 2 w8: v1(917.56,162.56) v1(1490,735)
NetJ2&4_5: J2&4.5 R28.2 RESET.B U1.38 U2.23 | length 2861.2
  Top Layer w8: U1.38 906.6,1048 976,1048 v1(1018,1090) ; U2.23 1041.93,1919.07 1050,1911 1057,1911 v1(1066,1902) ; R28.2 v1(1490,1820) ; v1(1584,1820) 1584,1741.26 RESET.B
  Layer 1 w8: v1(1028,1820) 1046,1820 1066,1840 v1(1066,1902) 1148,1820 v1(1490,1820) v1(1584,1820)
  Layer 2 w8: v1(1018,1090) 1028,1100 v1(1028,1820) ; v1(1584,1820) 1584,996 J2&4.5
NetJ2&4_6: J2&4.6 R10.2 U1.4 | length 1200.6
  Top Layer w8: R10.2 v1(977.56,427.56) ; U1.4 1144.32,615.4 v1(1226.43,615.4)
  Layer 1 w8: v1(977.56,427.56) 1038.59,427.56 v1(1226.43,615.4)
  Bottom Layer w8: v1(1226.43,615.4) 1546.03,935 J2&4.6
NetJ2&4_7: J2&4.7 R9.2 U1.1 | length 1413.4
  Top Layer w8: R9.2 v1(862.48,355) ; v1(1054.29,588.5) U1.1
  Layer 1 w8: v1(862.48,355) 1085.75,578.27 1085.75,587.93 v1(1086.33,588.5)
  Bottom Layer w8: v1(1054.29,588.5) v1(1086.33,588.5) 1252.5,588.5 1537.69,873.69 1760,873.69 1784,897.69 1784,996 J2&4.7
NetJ2&4_8: J2&4.8 U1.21 | length 855
  Top Layer w8: U1.21 1140,927.56 1140,913 1160,893 1557,893 1661,997 1661,1051 J2&4.8
NetJ2&4_9: J2&4.9 U1.20 | length 1070.1
  Top Layer w8: U1.20 1227.04,981.04 1247,1001 1558,1001 1588,1031 1588,1360 1608,1380 1764,1380 1784,1360 1784,1274 J2&4.9
NetJ2&4_10: J2&4.10 U1.19 | length 780.5
  Top Layer w8: U1.19 1256.11,988 1600,988 1628,1016 1628,1218 J2&4.10
NetJ2&4_11: J2&4.11 R11.1 U1.30 | length 2145.3
  Top Layer w8: U1.30 1141.89,1180 v1(1165,1180) ; v1(1219,1231.5) v1(1219,1540) 1239,1560 R11.1
  Layer 1 w8: v1(1165,1180) 1215.93,1230.93 1218.43,1230.93 v1(1219,1231.5)
  Layer 2 w8: v1(1219,1540) v1(1219,1231.5) 1219,1103.5 1650,672.5 1650,420 1674,396 1806,396 J2&4.11
NetJ2&4_12: J2&4.12 R12.1 U1.31 | length 3086.8
  Top Layer w8: U1.31 1134.05,1200 1179.19,1200 1194.19,1185 v1(1195,1185) ; R12.1 1344.88,1680 ; J2&4.12 1899,589 1899,1640 ; v1(1869,1290) 1899,1320 1899,1640 ; 1344.88,1680 1344.88,1686.88 1352,1694 1358.88,1694 ; 1344.88,1680 1358.88,1694 ; 1358.88,1694 1845,1694 ; 1845,1694 1865,1694 1899,1660 1899,1640 ; 1845,1694 1899,1640
  Layer 1 w8: v1(1195,1185) 1300,1290 v1(1869,1290)
NetJ2&4_13: J2&4.13 U1.48 | length 1269.1
  Top Layer w8: U1.48 736.92,938.68 785,890.6 v1(785,890)
  Layer 1 w8: v1(785,890) 806.22,868.78 806.22,837.78 959,685 1174.92,685 1194.42,704.5 1223.42,704.5 1242.92,685 1795,685 J2&4.13
NetJ2&4_14: J2&4.14 U1.16 | length 621.6
  Top Layer w8: U1.16 1295,830.71 v1(1340.71,785)
  Layer 1 w8: v1(1340.71,785) 1342.4,783.31 1796.69,783.31 J2&4.14
NetJ2&4_15: J2&4.15 U1.15 | length 633.3
  Top Layer w8: U1.15 1281.54,784.41 v1(1311.41,784.41)
  Layer 1 w8: v1(1311.41,784.41) 1327,800 1347,800 1350.69,796.31 1806.31,796.31 J2&4.15
NetJ2&4_16: J2&4.16 U1.14 | length 757.7
  Top Layer w8: U1.14 1287.61,750.5 1364.5,750.5 1399,785 1780,785 1793.31,798.31 1793.31,883.31 J2&4.16
NetJ2&4_17: J2&4.17 U1.13 | length 1171.6
  Top Layer w8: U1.13 1221.32,782.2 1266.02,737.5 1369.5,737.5 1527,580 1764,580 1784,600 1784,740 1840,796 1870,796 1884,810 1884,996 J2&4.17
NetJ2&4_18: J2&4.18 U1.53 | length 1472.8
  Top Layer w8: U1.53 793.59,775.04 804.81,794 821.31,810.5 v1(938.5,810.5)
  Layer 1 w8: v1(938.5,810.5) 962,810.5 991.5,781 991.5,760 1016.5,735 1058.96,735 1069.91,745.95 1069.91,839.37 1037.46,871.82 1037.46,971.46 1050,984 1084.22,984 1102.93,965.28 1158.17,965.28 1269.89,1077 1787,1077 J2&4.18
NetJ2&4_19: J2&4.19 U1.10 | length 1255.6
  Top Layer w8: U1.10 1186.32,747.2 v1(1316.76,616.76)
  Bottom Layer w8: v1(1316.76,616.76) 1392,692 1780,692 1806,718 1806,1196 J2&4.19
NetJ2&4_20: J2&4.20 R13.1 U1.5 | length 1718.8
  Top Layer w8: U1.5 1132.56,655 v1@1173,655 ; v1(1173,660) v1@1173,655 ; R13.1 1271.12,199.88 1266,205 1266,627.29 1238.29,655 v1@1173,655
  Bottom Layer w8: v1(1173,660) 1173,823 1729,1379 1801,1379 J2&4.20
NetJ5_2: J5.2 R21.2 U2.51 | length 1121.2
  Top Layer w8: U2.51 1179.72,2431.72 1190,2442 1802.46,2442 1839,2478.54 1895,2478.54 R21.2 v1(1940,2475)
  Bottom Layer w8: J5.2 1905,2280 1940,2315 v1(1940,2475)
NetJ5_4: J5.4 R22.2 U2.52 | length 1042
  Top Layer w8: U2.52 1160.04,2360 1174.04,2346 1341,2346 1412,2417 1808,2417 1821.46,2403.54 1845,2403.54 ; v1(1855,2215) 1855,2393.54 1845,2403.54 ; R22.2 1845,2403.54
  Bottom Layer w8: 1830,2185 1854.43,2209.43 1854.43,2214.43 v1(1855,2215)
NetJ5_6: J5.6 U2.49 | length 673.1
  Top Layer w8: v1(1219.09,2362.08) U2.49
  Bottom Layer w8: v1(1219.09,2362.08) 1532.92,2362.08 J5.6
NetJ5_8: J5.8 U2.50 | length 677.2
  Top Layer w8: U2.50 v1(1199.41,2424.29)
  Bottom Layer w8: v1(1199.41,2424.29) 1570.71,2424.29 J5.8
NetJ5_10: J5.10 R19.1 U2.38 | length 1480.2
  Top Layer w8: R19.1 v1(691.03,2230) ; v1(1261.81,2122.52) U2.38 1351.71,2122.52 1354.19,2125 v1(1355,2125) ; v1(1690,2180) 1690,2285 v1(1725,2320)
  Bottom Layer w8: v1(691.03,2230) 936,2230 1068,2362 1168.56,2362 1261.81,2268.75 v1(1261.81,2122.52) ; v1(1355,2125) 1410,2180 v1(1690,2180) ; v1(1725,2320) 1725.81,2320 1735.81,2330 J5.10
NetJ9_2: J9.2 U1.44 | length 1556.7
  Top Layer w8: J9.2 260,1790.59 v1(283.41,1814) ; v1(755,1031) 760,1031 792.6,998.4 U1.44
  Layer 2 w8: v1(283.41,1814) 537,1814 690.5,1660.5 690.5,920 719,891.5 740,891.5 755,906.5 v1(755,1031)
NetJ9_3: J9.3 U1.43 | length 1635.8
  Top Layer w8: J9.3 270,1765 346,1689 v1(346,954) ; U1.43 868,947.4 868,902 v1(888,882)
  Layer 1 w8: v1(346,954) 816,954 v1(888,882)
NetJ9_4: J9.4 R25.2 | length 2132.5
  Top Layer w8: J9.4 180,1739.41 164,1723.41 164,1708 180,1692 236,1692 258,1670 258,1567 75,1384 75,400 95,380 267,380 480,593 540,593 555,608 R25.2
NetJ9_Shell: J9.Shell R14.2 | length 841.2
  Top Layer w8: J9.Shell@59.57,1917.56 95,1917.56 102.44,1925 R14.2 ; J9.Shell@209.17,1618.35 164.65,1618.35 143,1640 143,1900 154.65,1911.65 J9.Shell@209.17,1911.65
  Layer 1 w8: J9.Shell@59.57,1612.44 131,1612.44 136.91,1618.35 J9.Shell@209.17,1618.35 ; J9.Shell@59.57,1917.56 131,1917.56 136.91,1911.65 J9.Shell@209.17,1911.65
NetJ11_2: J11.2 U2.43 | length 848.7
  Top Layer w8: J11.2 v1(650.59,2395) ; U2.43 v1(1328,2220.94)
  Bottom Layer w8: v1(650.59,2395) 691,2395 703,2407 1141.94,2407 v1(1328,2220.94)
NetJ11_3: J11.3 U2.44 | length 738
  Top Layer w8: v1(625,2292) J11.3 ; v1(1232,2240.63) U2.44
  Layer 1 w8: v1(625,2292) 1180.63,2292 v1(1232,2240.63)
NetJ11_Shell: J11.Shell R16.2 | length 705.1
  Top Layer w8: J11.Shell@472.44,2490.43 472.44,2417.91 478.35,2412 478.35,2340.83 478.35,2298.65 495,2282 R16.2 ; J11.Shell@771.65,2340.83 771.65,2412 777.56,2417.91 J11.Shell@777.56,2490.43
  Layer 1 w8: J11.Shell@478.35,2340.83 J11.Shell@771.65,2340.83
NetQ1_1: Q1.1 R2.2 | length 151
  Top Layer w8: R2.2 1475,1470 1489.37,1484.37 Q1.1
NetQ1_3: Q1.3 R3.1 | length 102.4
  Top Layer w8: Q1.3 1656,1464.69 1656.31,1465 R3.1
NetQ2_1: Q2.1 R12.2 | length 147.3
  Top Layer w8: R12.2 1479,1655 1484.63,1649.37 Q2.1
NetQ2_3: Q2.3 R4.1 | length 97.4
  Top Layer w8: Q2.3 1654,1629.69 1654.31,1630 R4.1
NetQ3_1: Q3.1 R11.2 | length 146
  Top Layer w8: R11.2 1479,1560 1483.69,1564.69 Q3.1
NetQ3_3: Q3.3 R5.1 | length 98.3
  Top Layer w8: Q3.3 R5.1
NetR1_2: R1.2 R8.2 SW2.A | length 1883.9
  Top Layer w8: SW2.A 598,96.26 599.18,97.44 R1.2 904.44,97.44 1035,228 1035,605 1021,619 v1(1021,777) ; v1(1118,1230) 1129.82,1241.82 R8.2
  Layer 1 w8: v1(1021,777) 1049,805 1049,839 992,896 992,982 1020,1010 1079,1010 1110.72,978.28 1151.28,978.28 1186,1013 1186,1134 1118,1202 v1(1118,1230)
NetR8_1: R8.1 R31.1 U1.32 | length 244.9
  Top Layer w8: U1.32 1054.29,1174.29 1093,1213 1156.29,1213 1163.29,1220 R8.1 1163.29,1284 1165,1285.71 R31.1
NetR13_2: R13.2 SW1.A | length 136.7
  Top Layer w8: R13.2 1362,265 1363.26,263.74 SW1.A
NetR18_2: R18.2 U1.51 U2.20 U2.29 | length 2782.1
  Top Layer w8: R18.2 553,520 680,393 680,339 700,319 1001,319 1022,340 1022,590 998.5,613.5 998.5,785 923.5,860 923.5,896 ; U1.51 829.39,867.5 895,867.5 923.5,896 ; v1(972.5,945) 923.5,896 ; v1(982.87,1916.68) U2.20 ; v1(1160.04,1916.68) U2.29
  Layer 1 w8: v1(982.87,1916.68) v1(1160.04,1916.68)
  Layer 2 w8: v1(972.5,945) 1000,945 1048,993 1048,1804.64 v1(1160.04,1916.68)
NetR20_2: R20.2 U2.41 | length 70.7
  Top Layer w8: U2.41 1339.52,2181.57 1341.1,2180 R20.2
NetR23_2: R23.2 U1.52 U2.19 U2.30 | length 2534.1
  Top Layer w8: v1(536.73,399) R23.2 ; U1.52 778.68,790.68 815,827 v1(902.5,827) ; v1(971,1983) 963.19,1975.19 U2.19 963.19,1900 978.52,1884.67 1164.39,1884.67 1179.72,1900 U2.30
  Layer 2 w8: v1(536.73,399) 791,399 902.5,510.5 v1(902.5,827) 902.5,1050.41 1012,1159.91 1012,1334 1002,1344 1002,1952 v1(971,1983)
NetR24_2: R24.2 U2.46 | length 565.8
  Top Layer w8: v1(897,2310) 897,2421 915,2439 R24.2 ; v1(1197,2310) 1227,2280 U2.46
  Layer 1 w8: v1(897,2310) v1(1197,2310)
NetR26_2: R26.2 U1.41 | length 435.2
  Top Layer w8: R26.2 445,1046.46 472.46,1019 694.75,1019 734.45,1058.7 819.14,1058.7 834.36,1043.48 U1.41
NetU1_17: U1.17 U2.18 | length 1347.4
  Top Layer w8: U2.18 943.5,1900 983.5,1860 v1(1132,1860) ; v1(1155,920) 1165,910 1233.79,910 U1.17
  Layer 2 w8: v1(1132,1860) 1110,1838 1110,1304 1136,1278 1136,1169 1155,1150 v1(1155,920)
NetU1_18: U1.18 U2.17 | length 2290.3
  Top Layer w8: U2.17 923.82,1873.18 959,1838 1280,1838 1300.09,1817.91 1300.09,1604.84 1308.92,1596 1372,1596 1378,1590 1378,1424 1400,1402 1775,1402 1797,1380 1797,1218 1760,1181 1664,1181 1643,1160 1643,1006 1612,975 1264.2,975 1249.16,959.96 U1.18
NetU1_49: U1.49 U2.21 U2.53 | length 1814.4
  Top Layer w8: v1(705,830.71) U1.49 ; U2.21 v1(1002.56,1990) ; v1(1136,2341) 1140.35,2345.35 U2.53
  Layer 2 w8: v1(705,830.71) 772.5,898.21 v1(772.5,1759.94)
  Bottom Layer w8: v1(772.5,1759.94) v1(1002.56,1990) 1136,2123.44 v1(1136,2341)
NetU1_50: U1.50 U2.22 | length 1542
  Top Layer w8: v1(738.5,912.5) 776,875 776,841.95 U1.50 ; v1(1022,1900) 1022.24,1900.24 U2.22
  Layer 2 w8: v1(738.5,912.5) 738.5,1810 946.5,2018 996.11,2018 1022,1992.11 v1(1022,1900)
pads on no net: J5. J5.1 J5.7 J9.MH1 J9.MH2 J11.4 J11.MH1 J11.MH2 RESET.A' RESET.B' SW1.A' SW1.B' SW2.A' SW2.B' SW3.3 U1.33 U2.1 U2.4 U2.5 U2.6 U2.7 U2.8 U2.9 U2.10 U2.13 U2.14 U2.15 U2.16 U2.24 U2.28 U2.31 U2.33 U2.36 U2.47 U2.48 U2.57 U2.58 U2.59 U2.60 U2.61 U2.62 U2.63 U8.2 U8.6 U8.7

## Polygon pours and split planes (outlines as drawn)
GND on Top Layer "GND_L01_P000" (solid, pour order 0): -5,2565 1960,2565 1960,-5 -5,-5
GND on Layer 1 "GND_L02_P002" (solid, remove dead copper, pour order 2): 1960,2565 1960,-5 -5,-5 -5,2565
GND on Layer 2 "GND_L03_P003" (solid, remove dead copper, pour order 3): 1960,2565 1960,-5 -5,-5 -5,2565
GND on Bottom Layer "GND_L04_P004" (solid, remove dead copper, pour order 4): 1960,2565 1960,-5 -5,-5 -5,2565

## Keep-outs
Keep-Out Layer:
  lines w10: -5,-5 1960,-5 1960,2565 -5,2565 -5,-5

## Text inside footprints (layer, text, board x,y; h text height)
J9: Top 3D Body "PCB Edge" at -34.92,1816.18 h29.53 r270
J11: Top 3D Body "PCB Edge" at 676.18,2584.92 h29.53 r180